# KiCad board cqa02303v4_cad.kicad_pcb
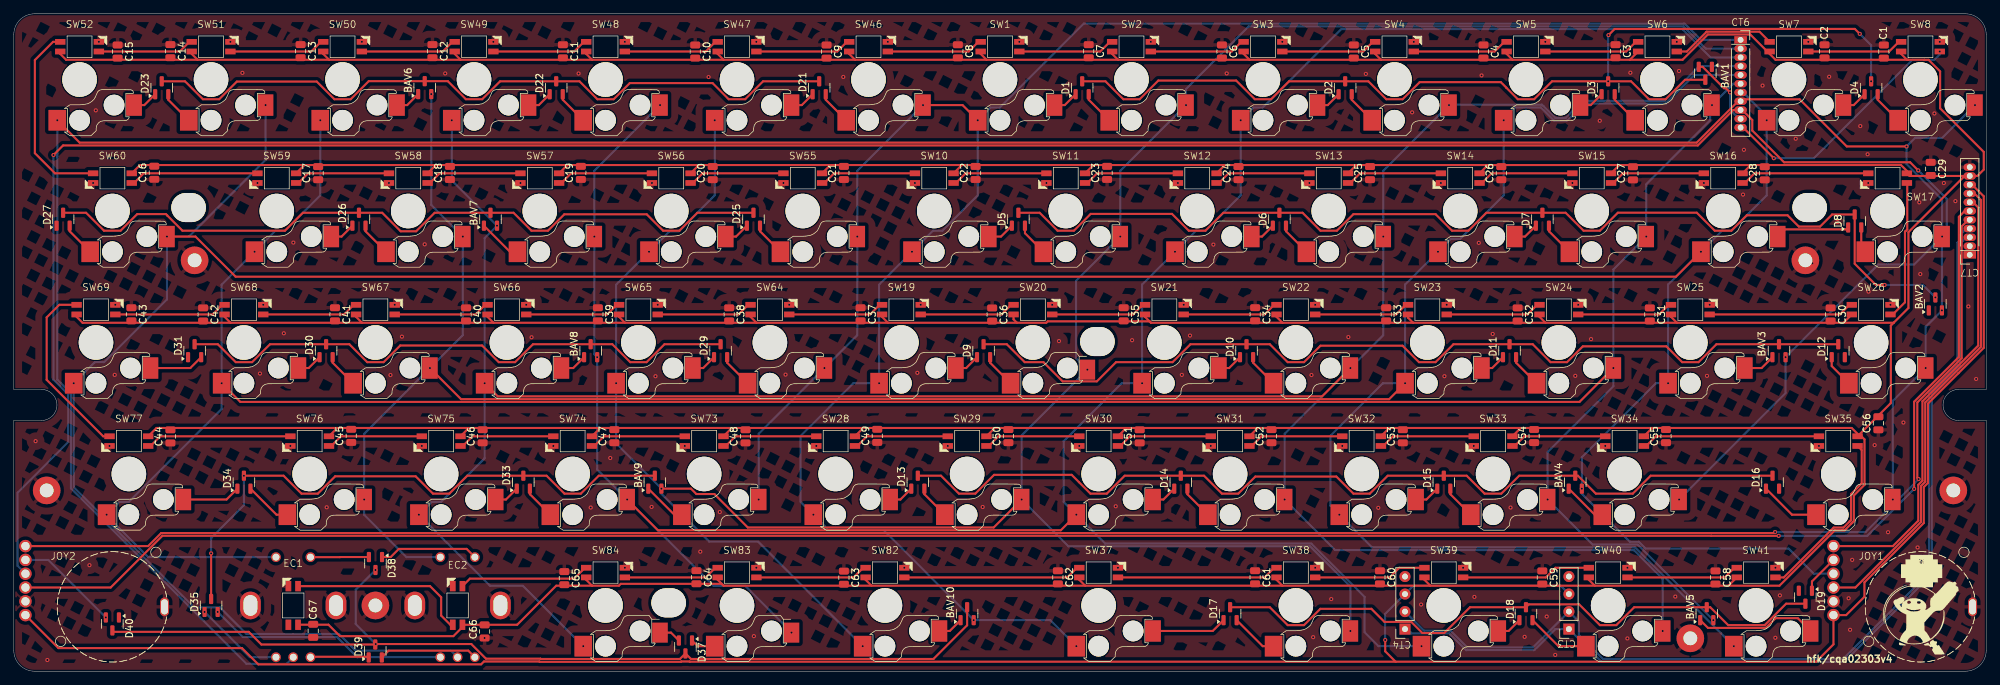
[diagram p0: board, top side]
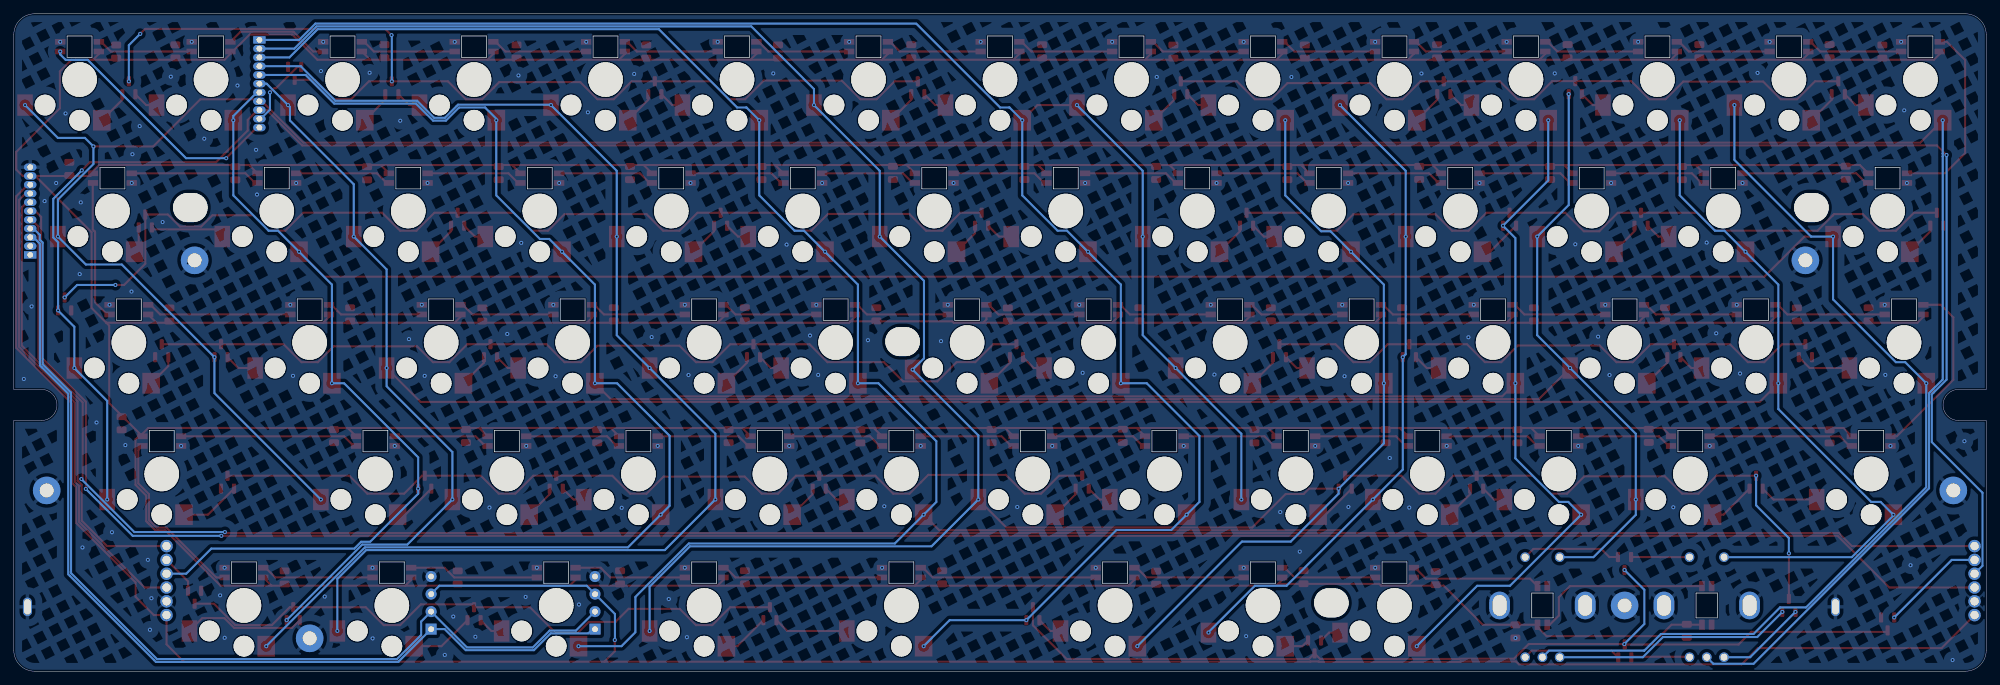
[diagram p1: board, bottom side, seen from below]

Outline 285.75 x 95.25 mm; copper layers: Top, Bottom. Coordinates in mm from the lower left corner of the outline.
Outline path: 4,36.33 0,36.32 0,3 arc(0.88,0.88) 3,0 282.75,0 arc(284.87,0.88) 285.75,3 285.75,36.33 281.75,36.33 arc(279.5,38.58) 281.75,40.83 285.75,40.83 285.75,92.25 arc(284.87,94.37) 282.75,95.25 3,95.25 arc(0.88,94.37) 0,92.25 0,40.83 4,40.83 arc(6.25,38.58) 4,36.33
Stack: Top 0.035mm / dielectric 1.51mm FR4 er 4.5 / Bottom 0.035mm

## Placement (name value [footprint] x y rotation side)
BAV1  BAV99  [SOT-23]  245.06 86.63 270 top
BAV2  BAV99  [SOT-23]  278.38 53.21 90 top
BAV3  BAV99  [SOT-23]  255.73 46.43 90 top
BAV4  BAV99  [SOT-23]  226.22 27.38 90 top
BAV5  BAV99  [SOT-23]  245.27 8.33 90 top
BAV6  BAV99  [SOT-23]  59.53 84.55 90 top
BAV7  BAV99  [SOT-23]  69.06 65.48 90 top
BAV8  BAV99  [SOT-23]  83.57 46.43 90 top
BAV9  BAV99  [SOT-23]  92.87 27.38 90 top
BAV10  BAV99  [SOT-23]  138.11 8.33 90 top
C1  C_Small  [C_0805_2012Metric]  270.92 89.78 270 top
C2  C_Small  [C_0805_2012Metric]  262.33 89.81 270 top
C3  C_Small  [C_0805_2012Metric]  232.05 89.83 270 top
C4  C_Small  [C_0805_2012Metric]  212.92 89.79 270 top
C5  C_Small  [C_0805_2012Metric]  194.13 89.79 270 top
C6  C_Small  [C_0805_2012Metric]  175.03 89.79 270 top
C7  C_Small  [C_0805_2012Metric]  155.73 89.83 270 top
C8  C_Small  [C_0805_2012Metric]  136.77 89.82 270 top
C9  C_Small  [C_0805_2012Metric]  117.75 89.78 270 top
C10  C_Small  [C_0805_2012Metric]  98.72 89.78 270 top
C11  C_Small  [C_0805_2012Metric]  79.55 89.82 270 top
C12  C_Small  [C_0805_2012Metric]  60.65 89.84 270 top
C13  C_Small  [C_0805_2012Metric]  41.55 89.84 270 top
C14  C_Small  [C_0805_2012Metric]  22.69 89.84 270 top
C15  C_Small  [C_0805_2012Metric]  15.04 89.78 270 top
C16  C_Small  [C_0805_2012Metric]  20.35 72.22 90 top
C17  C_Small  [C_0805_2012Metric]  44.09 72.16 90 top
C18  C_Small  [C_0805_2012Metric]  63.18 72.19 90 top
C19  C_Small  [C_0805_2012Metric]  82.15 72.2 90 top
C20  C_Small  [C_0805_2012Metric]  101.25 72.17 90 top
C21  C_Small  [C_0805_2012Metric]  120.26 72.19 90 top
C22  C_Small  [C_0805_2012Metric]  139.34 72.19 90 top
C23  C_Small  [C_0805_2012Metric]  158.39 72.2 90 top
C24  C_Small  [C_0805_2012Metric]  177.43 72.17 90 top
C25  C_Small  [C_0805_2012Metric]  196.48 72.17 90 top
C26  C_Small  [C_0805_2012Metric]  215.5 72.16 90 top
C27  C_Small  [C_0805_2012Metric]  234.57 72.14 90 top
C28  C_Small  [C_0805_2012Metric]  253.66 72.14 90 top
C29  C_Small  [C_0805_2012Metric]  277.71 72.78 270 top
C30  C_Small  [C_0805_2012Metric]  263.21 51.69 270 top
C31  C_Small  [C_0805_2012Metric]  237.02 51.69 270 top
C32  C_Small  [C_0805_2012Metric]  217.87 51.69 270 top
C33  C_Small  [C_0805_2012Metric]  198.82 51.71 270 top
C34  C_Small  [C_0805_2012Metric]  179.84 51.72 270 top
C35  C_Small  [C_0805_2012Metric]  160.79 51.71 270 top
C36  C_Small  [C_0805_2012Metric]  141.74 51.68 270 top
C37  C_Small  [C_0805_2012Metric]  122.68 51.71 270 top
C38  C_Small  [C_0805_2012Metric]  103.64 51.7 270 top
C39  C_Small  [C_0805_2012Metric]  84.62 51.71 270 top
C40  C_Small  [C_0805_2012Metric]  65.52 51.7 270 top
C41  C_Small  [C_0805_2012Metric]  46.53 51.71 270 top
C42  C_Small  [C_0805_2012Metric]  27.43 51.69 270 top
C43  C_Small  [C_0805_2012Metric]  17.04 51.71 270 top
C44  C_Small  [C_0805_2012Metric]  22.69 34.02 90 top
C45  C_Small  [C_0805_2012Metric]  48.88 34.1 90 top
C46  C_Small  [C_0805_2012Metric]  67.92 34.04 90 top
C47  C_Small  [C_0805_2012Metric]  87 34.05 90 top
C48  C_Small  [C_0805_2012Metric]  106.01 34.03 90 top
C49  C_Small  [C_0805_2012Metric]  125.09 34.1 90 top
C50  C_Small  [C_0805_2012Metric]  144.09 34.06 90 top
C51  C_Small  [C_0805_2012Metric]  163.11 34.03 90 top
C52  C_Small  [C_0805_2012Metric]  182.2 34.05 90 top
C53  C_Small  [C_0805_2012Metric]  201.23 34.04 90 top
C54  C_Small  [C_0805_2012Metric]  220.25 34.07 90 top
C55  C_Small  [C_0805_2012Metric]  239.36 34.06 90 top
C56  C_Small  [C_0805_2012Metric]  270.13 35.92 90 top
C58  C_Small  [C_0805_2012Metric]  246.53 13.58 270 top
C59  C_Small  [C_0805_2012Metric]  221.44 13.58 270 top
C60  C_Small  [C_0805_2012Metric]  197.92 13.6 270 top
C61  C_Small  [C_0805_2012Metric]  179.83 13.61 270 top
C62  C_Small  [C_0805_2012Metric]  151.26 13.6 270 top
C63  C_Small  [C_0805_2012Metric]  120.26 13.55 270 top
C64  C_Small  [C_0805_2012Metric]  98.9 13.62 270 top
C65  C_Small  [C_0805_2012Metric]  79.76 13.48 270 top
C66  C_Small  [C_0805_2012Metric]  68.21 5.76 90 top
C67  C_Small  [C_0805_2012Metric]  43.38 5.85 90 top
CS_HL1  ~  [gh60_hole2_guard]  94.87 9.91 0 top
CS_HL2  ~  [gh60_hole2_guard]  156.99 47.76 0 top
CS_HL3  ~  [gh60_hole2_guard]  260.17 67.18 0 top
CS_HL4  ~  [gh60_hole2_guard]  25.32 67.18 0 top
CT3  ~  [ConnThrough_1x04_2.54mm]  225.3 9.91 180 top
CT4  ~  [ConnThrough_1x04_2.54mm]  201.55 9.91 180 top
CT6  ~  [ConnThrough_1x11_1.27mm]  250.17 85.12 0 top
CT7  ~  [ConnThrough_1x11_1.27mm]  283.37 66.68 180 top
D1  BAV70  [SOT-23]  154.78 84.53 90 top
D2  BAV70  [SOT-23]  192.88 84.53 90 top
D3  BAV70  [SOT-23]  230.98 84.53 90 top
D4  BAV70  [SOT-23]  269.08 84.53 90 top
D5  BAV70  [SOT-23]  145.54 65.48 90 top
D6  BAV70  [SOT-23]  183.36 65.48 90 top
D7  BAV70  [SOT-23]  221.46 65.48 90 top
D8  BAV70  [SOT-23]  266.7 65.23 90 top
D9  BAV70  [SOT-23]  140.49 46.43 90 top
D10  BAV70  [SOT-23]  178.59 46.43 90 top
D11  BAV70  [SOT-23]  216.69 46.43 90 top
D12  BAV70  [SOT-23]  264.32 46.43 90 top
D13  BAV70  [SOT-23]  130.97 27.38 90 top
D14  BAV70  [SOT-23]  169.07 27.38 90 top
D15  BAV70  [SOT-23]  207.17 27.38 90 top
D16  BAV70  [SOT-23]  254.79 27.38 90 top
D17  BAV70  [SOT-23]  176.21 8.33 90 top
D18  BAV70  [SOT-23]  219.08 8.33 90 top
D19  BAV70  [SOT-23]  259.56 10.72 270 top
D21  BAV70  [SOT-23]  116.68 84.53 90 top
D22  BAV70  [SOT-23]  78.58 84.53 90 top
D23  BAV70  [SOT-23]  21.43 84.53 90 top
D25  BAV70  [SOT-23]  107.16 65.48 90 top
D26  BAV70  [SOT-23]  50.01 65.48 90 top
D27  BAV70  [SOT-23]  7.14 65.48 90 top
D29  BAV70  [SOT-23]  102.39 46.43 90 top
D30  BAV70  [SOT-23]  45.24 46.43 90 top
D31  BAV70  [SOT-23]  26.19 46.43 90 top
D33  BAV70  [SOT-23]  73.82 27.38 90 top
D34  BAV70  [SOT-23]  33.34 27.38 90 top
D35  BAV70  [SOT-23]  28.59 9.53 90 top
D37  BAV70  [SOT-23]  97.3 3.51 270 top
D38  BAV70  [SOT-23]  52.4 15.6 270 top
D39  BAV70  [SOT-23]  52.37 2.93 90 top
D40  BAV70  [SOT-23]  14.28 6.85 270 top
D41  SK6812MINI  [YS-SK6812MINI-E]  276.22 90.49 180 top
D42  SK6812MINI  [YS-SK6812MINI-E]  257.17 90.49 180 top
D43  SK6812MINI  [YS-SK6812MINI-E]  238.13 90.49 180 top
D44  SK6812MINI  [YS-SK6812MINI-E]  219.08 90.49 180 top
D45  SK6812MINI  [YS-SK6812MINI-E]  200.03 90.49 180 top
D46  SK6812MINI  [YS-SK6812MINI-E]  180.97 90.49 180 top
D47  SK6812MINI  [YS-SK6812MINI-E]  161.93 90.49 180 top
D48  SK6812MINI  [YS-SK6812MINI-E]  142.88 90.49 180 top
D49  SK6812MINI  [YS-SK6812MINI-E]  123.83 90.49 180 top
D50  SK6812MINI  [YS-SK6812MINI-E]  104.78 90.49 180 top
D51  SK6812MINI  [YS-SK6812MINI-E]  85.72 90.49 180 top
D52  SK6812MINI  [YS-SK6812MINI-E]  66.68 90.49 180 top
D53  SK6812MINI  [YS-SK6812MINI-E]  47.62 90.49 180 top
D54  SK6812MINI  [YS-SK6812MINI-E]  28.57 90.49 180 top
D55  SK6812MINI  [YS-SK6812MINI-E]  9.52 90.49 180 top
D56  SK6812MINI  [YS-SK6812MINI-E]  14.29 71.44 0 top
D57  SK6812MINI  [YS-SK6812MINI-E]  38.1 71.44 0 top
D58  SK6812MINI  [YS-SK6812MINI-E]  57.15 71.44 0 top
D59  SK6812MINI  [YS-SK6812MINI-E]  76.2 71.44 0 top
D60  SK6812MINI  [YS-SK6812MINI-E]  95.25 71.44 0 top
D61  SK6812MINI  [YS-SK6812MINI-E]  114.3 71.44 0 top
D62  SK6812MINI  [YS-SK6812MINI-E]  133.35 71.44 0 top
D63  SK6812MINI  [YS-SK6812MINI-E]  152.4 71.44 0 top
D64  SK6812MINI  [YS-SK6812MINI-E]  171.45 71.44 0 top
D65  SK6812MINI  [YS-SK6812MINI-E]  190.5 71.44 0 top
D66  SK6812MINI  [YS-SK6812MINI-E]  209.55 71.44 0 top
D67  SK6812MINI  [YS-SK6812MINI-E]  228.6 71.44 0 top
D68  SK6812MINI  [YS-SK6812MINI-E]  247.65 71.44 0 top
D69  SK6812MINI  [YS-SK6812MINI-E]  271.46 71.44 0 top
D70  SK6812MINI  [YS-SK6812MINI-E]  269.08 52.39 180 top
D71  SK6812MINI  [YS-SK6812MINI-E]  242.89 52.39 180 top
D72  SK6812MINI  [YS-SK6812MINI-E]  223.84 52.39 180 top
D73  SK6812MINI  [YS-SK6812MINI-E]  204.79 52.39 180 top
D74  SK6812MINI  [YS-SK6812MINI-E]  185.74 52.39 180 top
D75  SK6812MINI  [YS-SK6812MINI-E]  166.69 52.39 180 top
D76  SK6812MINI  [YS-SK6812MINI-E]  147.64 52.39 180 top
D77  SK6812MINI  [YS-SK6812MINI-E]  128.59 52.39 180 top
D78  SK6812MINI  [YS-SK6812MINI-E]  109.54 52.39 180 top
D79  SK6812MINI  [YS-SK6812MINI-E]  90.49 52.39 180 top
D80  SK6812MINI  [YS-SK6812MINI-E]  71.44 52.39 180 top
D81  SK6812MINI  [YS-SK6812MINI-E]  52.39 52.39 180 top
D82  SK6812MINI  [YS-SK6812MINI-E]  33.34 52.39 180 top
D83  SK6812MINI  [YS-SK6812MINI-E]  11.91 52.39 180 top
D84  SK6812MINI  [YS-SK6812MINI-E]  16.67 33.34 0 top
D85  SK6812MINI  [YS-SK6812MINI-E]  42.86 33.34 0 top
D86  SK6812MINI  [YS-SK6812MINI-E]  61.91 33.34 0 top
D87  SK6812MINI  [YS-SK6812MINI-E]  80.96 33.34 0 top
D88  SK6812MINI  [YS-SK6812MINI-E]  100.01 33.34 0 top
D89  SK6812MINI  [YS-SK6812MINI-E]  119.06 33.34 0 top
D90  SK6812MINI  [YS-SK6812MINI-E]  138.11 33.34 0 top
D91  SK6812MINI  [YS-SK6812MINI-E]  157.16 33.34 0 top
D92  SK6812MINI  [YS-SK6812MINI-E]  176.21 33.34 0 top
D93  SK6812MINI  [YS-SK6812MINI-E]  195.26 33.34 0 top
D94  SK6812MINI  [YS-SK6812MINI-E]  214.31 33.34 0 top
D95  SK6812MINI  [YS-SK6812MINI-E]  233.36 33.34 0 top
D96  SK6812MINI  [YS-SK6812MINI-E]  264.32 33.34 0 top
D98  SK6812MINI  [YS-SK6812MINI-E]  252.41 14.29 180 top
D99  SK6812MINI  [YS-SK6812MINI-E]  230.98 14.29 180 top
D100  SK6812MINI  [YS-SK6812MINI-E]  207.17 14.29 180 top
D101  SK6812MINI  [YS-SK6812MINI-E]  185.74 14.29 180 top
D102  SK6812MINI  [YS-SK6812MINI-E]  157.16 14.29 180 top
D103  SK6812MINI  [YS-SK6812MINI-E]  126.21 14.29 180 top
D104  SK6812MINI  [YS-SK6812MINI-E]  104.78 14.29 180 top
D105  SK6812MINI  [YS-SK6812MINI-E]  85.72 14.29 180 top
D106  SK6812MINI  [YS-SK6812MINI-E]  64.29 9.53 270 top
D107  SK6812MINI  [YS-SK6812MINI-E]  40.48 9.53 270 top
EC1  ~  [EC12]  40.48 9.53 0 top
EC2  ~  [EC12]  64.29 9.53 0 top
G***  -  [LOGO]  276.4 9.93 0 top
JOY1  ~  [AnalogJoyCon_cutScrew]  276.22 9.53 0 top
JOY2  ~  [AnalogJoyCon_cutScrew]  14.29 9.53 0 top
SHL1  ~  [2mmScrew]  4.76 26.19 0 top
SHL2  ~  [2mmScrew]  52.39 9.53 0 top
SHL3  ~  [2mmScrew]  280.99 26.19 0 top
SHL4  ~  [2mmScrew]  242.89 4.76 0 top
SHL5  ~  [2mmScrew]  26.19 59.53 0 top
SHL6  ~  [2mmScrew]  259.56 59.53 0 top
SW1  SW_PUSH  [hf_kbd_kailh_hotswap]  142.88 85.73 0 top
SW2  SW_PUSH  [hf_kbd_kailh_hotswap]  161.93 85.73 0 top
SW3  SW_PUSH  [hf_kbd_kailh_hotswap]  180.97 85.73 0 top
SW4  SW_PUSH  [hf_kbd_kailh_hotswap]  200.03 85.73 0 top
SW5  SW_PUSH  [hf_kbd_kailh_hotswap]  219.08 85.73 0 top
SW6  SW_PUSH  [hf_kbd_kailh_hotswap]  238.13 85.73 0 top
SW7  SW_PUSH  [hf_kbd_kailh_hotswap]  257.17 85.73 0 top
SW8  SW_PUSH  [hf_kbd_kailh_hotswap]  276.22 85.73 0 top
SW10  SW_PUSH  [hf_kbd_kailh_hotswap]  133.35 66.68 0 top
SW11  SW_PUSH  [hf_kbd_kailh_hotswap]  152.4 66.68 0 top
SW12  SW_PUSH  [hf_kbd_kailh_hotswap]  171.45 66.68 0 top
SW13  SW_PUSH  [hf_kbd_kailh_hotswap]  190.5 66.68 0 top
SW14  SW_PUSH  [hf_kbd_kailh_hotswap]  209.55 66.68 0 top
SW15  SW_PUSH  [hf_kbd_kailh_hotswap]  228.6 66.68 0 top
SW16  SW_PUSH  [hf_kbd_kailh_hotswap]  247.65 66.68 0 top
SW17  SW_PUSH  [hf_kbd_kailh_hotswap]  271.46 66.68 0 top
SW19  SW_PUSH  [hf_kbd_kailh_hotswap]  128.59 47.63 0 top
SW20  SW_PUSH  [hf_kbd_kailh_hotswap_nearhole]  147.64 47.63 0 top
SW21  SW_PUSH  [hf_kbd_kailh_hotswap]  166.69 47.63 0 top
SW22  SW_PUSH  [hf_kbd_kailh_hotswap]  185.74 47.63 0 top
SW23  SW_PUSH  [hf_kbd_kailh_hotswap]  204.79 47.63 0 top
SW24  SW_PUSH  [hf_kbd_kailh_hotswap]  223.84 47.63 0 top
SW25  SW_PUSH  [hf_kbd_kailh_hotswap]  242.89 47.63 0 top
SW26  SW_PUSH  [hf_kbd_kailh_hotswap]  269.08 47.63 0 top
SW28  SW_PUSH  [hf_kbd_kailh_hotswap]  119.06 28.58 0 top
SW29  SW_PUSH  [hf_kbd_kailh_hotswap]  138.11 28.58 0 top
SW30  SW_PUSH  [hf_kbd_kailh_hotswap]  157.16 28.58 0 top
SW31  SW_PUSH  [hf_kbd_kailh_hotswap]  176.21 28.58 0 top
SW32  SW_PUSH  [hf_kbd_kailh_hotswap]  195.26 28.58 0 top
SW33  SW_PUSH  [hf_kbd_kailh_hotswap]  214.31 28.58 0 top
SW34  SW_PUSH  [hf_kbd_kailh_hotswap]  233.36 28.58 0 top
SW35  SW_PUSH  [hf_kbd_kailh_hotswap]  264.32 28.58 0 top
SW37  SW_PUSH  [hf_kbd_kailh_hotswap]  157.16 9.53 0 top
SW38  SW_PUSH  [hf_kbd_kailh_hotswap]  185.74 9.53 0 top
SW39  SW_PUSH  [hf_kbd_kailh_hotswap]  207.17 9.53 0 top
SW40  SW_PUSH  [hf_kbd_kailh_hotswap]  230.98 9.53 0 top
SW41  SW_PUSH  [hf_kbd_kailh_hotswap]  252.41 9.53 0 top
SW46  SW_PUSH  [hf_kbd_kailh_hotswap]  123.83 85.73 0 top
SW47  SW_PUSH  [hf_kbd_kailh_hotswap]  104.78 85.73 0 top
SW48  SW_PUSH  [hf_kbd_kailh_hotswap]  85.72 85.73 0 top
SW49  SW_PUSH  [hf_kbd_kailh_hotswap]  66.68 85.73 0 top
SW50  SW_PUSH  [hf_kbd_kailh_hotswap]  47.62 85.73 0 top
SW51  SW_PUSH  [hf_kbd_kailh_hotswap]  28.57 85.73 0 top
SW52  SW_PUSH  [hf_kbd_kailh_hotswap]  9.52 85.73 0 top
SW55  SW_PUSH  [hf_kbd_kailh_hotswap]  114.3 66.68 0 top
SW56  SW_PUSH  [hf_kbd_kailh_hotswap]  95.25 66.68 0 top
SW57  SW_PUSH  [hf_kbd_kailh_hotswap]  76.2 66.68 0 top
SW58  SW_PUSH  [hf_kbd_kailh_hotswap]  57.15 66.68 0 top
SW59  SW_PUSH  [hf_kbd_kailh_hotswap]  38.1 66.68 0 top
SW60  SW_PUSH  [hf_kbd_kailh_hotswap]  14.29 66.68 0 top
SW64  SW_PUSH  [hf_kbd_kailh_hotswap]  109.54 47.63 0 top
SW65  SW_PUSH  [hf_kbd_kailh_hotswap]  90.49 47.63 0 top
SW66  SW_PUSH  [hf_kbd_kailh_hotswap]  71.44 47.63 0 top
SW67  SW_PUSH  [hf_kbd_kailh_hotswap]  52.39 47.63 0 top
SW68  SW_PUSH  [hf_kbd_kailh_hotswap]  33.34 47.63 0 top
SW69  SW_PUSH  [hf_kbd_kailh_hotswap]  11.91 47.63 0 top
SW73  SW_PUSH  [hf_kbd_kailh_hotswap]  100.01 28.58 0 top
SW74  SW_PUSH  [hf_kbd_kailh_hotswap]  80.96 28.58 0 top
SW75  SW_PUSH  [hf_kbd_kailh_hotswap]  61.91 28.58 0 top
SW76  SW_PUSH  [hf_kbd_kailh_hotswap]  42.86 28.58 0 top
SW77  SW_PUSH  [hf_kbd_kailh_hotswap]  16.67 28.58 0 top
SW82  SW_PUSH  [hf_kbd_kailh_hotswap]  126.21 9.53 0 top
SW83  SW_PUSH  [hf_kbd_kailh_hotswap_nearhole]  104.78 9.53 0 top
SW84  SW_PUSH  [hf_kbd_kailh_hotswap_nearhole]  85.72 9.53 0 top

## Library data of the parts
BAV1-BAV10 = -: Datasheet: https://assets.nexperia.com/documents/data-sheet/BAV99_SER.pdf; Description: BAV99 High-speed switching diodes, SOT-23; ki_fp_filters: SOT?23*
C1-C56 C58-C67 = -: Description: Unpolarized capacitor, small symbol; ki_fp_filters: C_*
D1-D19 D21-D23 D25-D27 D29-D31 D33-D35 D37-D40 = -: Datasheet: https://assets.nexperia.com/documents/data-sheet/BAV70_SER.pdf; Description: Dual 100V 215mA high-speed switching diodes, common cathode, SOT-23; ki_fp_filters: SOT?23*
D41-D96 D98-D107 = -: Datasheet: https://cdn-shop.adafruit.com/product-files/2686/SK6812MINI_REV.01-1-2.pdf; Description: RGB LED with integrated controller; ki_fp_filters: LED*SK6812MINI*PLCC*3.5x3.5mm*P1.75mm*

## Footprints (pads in the part's own frame, mm; a bottom-side part is the same pattern mirrored in y, then rotated)
2mmScrew
  round 4 hole 2: 1(0,0)
AnalogJoyCon_cutScrew
  round 1.8 hole 1.2: 1(-12.6,8.6) 2(-12.6,6.6) 3(-12.6,4.6) 4(-12.6,2.6) 5(-12.6,0.6) 6(-12.6,-1.4)
  oval 1.3x2.7 hole 1x2.2: 7(7.55,-0.2)
C_0805_2012Metric
  rrect 1x1.45 smd: 1(-0.95,0) 2(0.95,0)
ConnThrough_1x04_2.54mm
  rect 1.6x1.6 hole 0.85: 1(0,3.81)
  round 1.6 hole 0.85: 2(0,1.27) 3(0,-1.27) 4(0,-3.81)
ConnThrough_1x11_1.27mm
  rect 1.8x1.07 hole 0.84: 1(0,6.35)
  oval 1.8x1.07 hole 0.84: 2(0,5.08) 3(0,3.81) 4(0,2.54) 5(0,1.27) 6(0,0) 7(0,-1.27) 8(0,-2.54) 9(0,-3.81) 10(0,-5.08) 11(0,-6.35)
EC12
  round 1.4 hole 1: 1(-2.5,7) 2(2.5,7) 3(-2.5,-7.5) 4(2.5,-7.5) 5(0,-7.5)
  oval 3x4 hole 2x3: 6(-6.2,0) 7(6.2,0)
gh60_hole2_guard
  oval 5x4.2 hole 5.5x4.8 unplated: (0,0)
hf_kbd_kailh_hotswap
  round 5 hole 5 unplated: (0,0)
  round 3 hole 3 unplated: (0,-5.9) (5,-3.7)
  rect 2.25x3.1 smd: 1(7.9,-3.7)
  rect 2.55x3 smd: 2(-3.225,-5.9)
hf_kbd_kailh_hotswap_nearhole
  round 5 hole 5 unplated: (0,0)
  round 3 hole 3 unplated: (0,-5.9) (5,-3.7)
  rect 2.242x2.891 smd: 1(7.896,-3.935)
  rect 2.55x3 smd: 2(-3.225,-5.9)
SOT-23
  rrect 1.475x0.6 smd: 1(-0.938,0.95) 2(-0.938,-0.95) 3(0.938,0)
YS-SK6812MINI-E
  rect 1.5x0.825 smd: 1(2.8,0.7) 2(2.8,-0.7) 3(-2.8,-0.7) 4(-2.8,0.7)

## Nets
+3V3R: CT3.3 CT4.3 CT7.9 JOY1.6 JOY2.6
+5VD: C1.2 C2.2 C3.2 C4.2 C5.2 C6.2 C7.2 C8.2 C9.2 C10.2 C11.2 C12.2 C13.2 C14.2 C15.2 C16.2 C17.2 C18.2 C19.2 C20.2 C21.2 C22.2 C23.2 C24.2 C25.2 C26.2 C27.2 C28.2 C29.2 C30.2 C31.2 C32.2 C33.2 C34.2 C35.2 C36.2 C37.2 C38.2 C39.2 C40.2 C41.2 C42.2 C43.2 C44.2 C45.2 C46.2 C47.2 C48.2 C49.2 C50.2 C51.2 C52.2 C53.2 C54.2 C55.2 C56.2 C58.2 C59.2 C60.2 C61.2 C62.2 C63.2 C64.2 C65.2 C66.2 C67.2 CT7.10 D41.1 D42.1 D43.1 D44.1 D45.1 D46.1 D47.1 D48.1 D49.1 D50.1 D51.1 D52.1 D53.1 D54.1 D55.1 D56.1 D57.1 D58.1 D59.1 D60.1 D61.1 D62.1 D63.1 D64.1 D65.1 D66.1 D67.1 D68.1 D69.1 D70.1 D71.1 D72.1 D73.1 D74.1 D75.1 D76.1 D77.1 D78.1 D79.1 D80.1 D81.1 D82.1 D83.1 D84.1 D85.1 D86.1 D87.1 D88.1 D89.1 D90.1 D91.1 D92.1 D93.1 D94.1 D95.1 D96.1 D98.1 D99.1 D100.1 D101.1 D102.1 D103.1 D104.1 D105.1 D106.1 D107.1
GNDR: C1.1 C2.1 C3.1 C4.1 C5.1 C6.1 C7.1 C8.1 C9.1 C10.1 C11.1 C12.1 C13.1 C14.1 C15.1 C16.1 C17.1 C18.1 C19.1 C20.1 C21.1 C22.1 C23.1 C24.1 C25.1 C26.1 C27.1 C28.1 C29.1 C30.1 C31.1 C32.1 C33.1 C34.1 C35.1 C36.1 C37.1 C38.1 C39.1 C40.1 C41.1 C42.1 C43.1 C44.1 C45.1 C46.1 C47.1 C48.1 C49.1 C50.1 C51.1 C52.1 C53.1 C54.1 C55.1 C56.1 C58.1 C59.1 C60.1 C61.1 C62.1 C63.1 C64.1 C65.1 C66.1 C67.1 CT3.4 CT4.4 CT7.11 D41.3 D42.3 D43.3 D44.3 D45.3 D46.3 D47.3 D48.3 D49.3 D50.3 D51.3 D52.3 D53.3 D54.3 D55.3 D56.3 D57.3 D58.3 D59.3 D60.3 D61.3 D62.3 D63.3 D64.3 D65.3 D66.3 D67.3 D68.3 D69.3 D70.3 D71.3 D72.3 D73.3 D74.3 D75.3 D76.3 D77.3 D78.3 D79.3 D80.3 D81.3 D82.3 D83.3 D84.3 D85.3 D86.3 D87.3 D88.3 D89.3 D90.3 D91.3 D92.3 D93.3 D94.3 D95.3 D96.3 D98.3 D99.3 D100.3 D101.3 D102.3 D103.3 D104.3 D105.3 D106.3 D107.3 EC1.6 EC1.7 EC2.6 EC2.7 JOY1.5 JOY1.7 JOY2.5 JOY2.7 SHL1.1 SHL2.1 SHL3.1 SHL4.1 SHL5.1 SHL6.1
/LED/LED_DIN: CT6.11 D41.4
COL1: BAV10.2 CT6.1 SW1.2 SW10.2 SW19.2 SW28.2 SW37.2 SW46.1 SW55.1 SW64.1 SW73.1
COL2: BAV9.2 CT6.2 SW2.1 SW11.1 SW20.1 SW29.1 SW38.1 SW47.2 SW56.2 SW65.2 SW82.2
COL3: BAV8.2 CT6.3 SW3.2 SW12.2 SW21.2 SW30.2 SW39.2 SW48.1 SW57.1 SW74.1 SW83.1
COL4: BAV7.2 CT6.4 SW4.1 SW13.1 SW22.1 SW31.1 SW40.1 SW49.2 SW66.2 SW75.2 SW84.2
COL5: BAV6.2 CT6.5 EC2.1 SW5.2 SW14.2 SW23.2 SW32.2 SW41.2 SW58.1 SW67.1 SW76.1
COL6: BAV5.2 CT6.6 EC1.1 SW6.1 SW15.1 SW24.1 SW33.1 SW50.2 SW59.2 SW68.2 SW77.2
COL7: BAV4.2 CT6.7 EC2.5 JOY1.3 SW7.2 SW16.2 SW25.2 SW51.1 SW60.1 SW69.2
COL8: BAV3.2 CT6.8 EC1.5 SW8.1 SW17.1 SW34.1 SW52.2
COL9: BAV2.2 CT6.9 JOY2.3 SW26.1 SW35.1
COL10: BAV1.2 CT6.10
EC1A: D35.1 EC1.3
EC1B: D39.1 EC1.4
EC1H: D38.2 EC1.2
EC2A: D35.2 EC2.3
EC2B: D39.2 EC2.4
EC2H: D38.1 EC2.2
JOY1: D19.1 JOY1.2
JOY2: D40.2 JOY2.2
ROW1: BAV1.3 D1.3 D2.3 D3.3 D4.3
ROW2: BAV2.3 D5.3 D6.3 D7.3 D8.3
ROW3: BAV3.3 D9.3 D10.3 D11.3 D12.3
ROW4: BAV4.3 D13.3 D14.3 D15.3 D16.3
ROW5: BAV5.3 D17.3 D18.3 D19.3
ROW6: BAV6.3 D21.3 D22.3 D23.3
ROW7: BAV7.3 D25.3 D26.3 D27.3
ROW8: BAV8.3 D29.3 D30.3 D31.3
ROW9: BAV9.3 D33.3 D34.3 D35.3
ROW10: BAV10.3 D37.3 D38.3 D39.3 D40.3
Net-(BAV1-K-Pad1): BAV1.1
Net-(BAV2-K-Pad1): BAV2.1
Net-(BAV3-K-Pad1): BAV3.1 SW25.1
Net-(BAV4-K-Pad1): BAV4.1 SW34.2
Net-(BAV5-K-Pad1): BAV5.1 SW41.1
Net-(BAV6-K-Pad1): BAV6.1 SW50.1
Net-(BAV7-K-Pad1): BAV7.1 SW57.2
Net-(BAV8-K-Pad1): BAV8.1 SW66.1
Net-(BAV9-K-Pad1): BAV9.1 SW73.2
Net-(BAV10-K-Pad1): BAV10.1 SW82.1
Net-(CT3-Pad1): CT3.1 CT4.1 CT7.3
Net-(CT3-Pad2): CT3.2 CT4.2 CT7.4
Net-(D1-A-Pad1): D1.1 SW1.1
Net-(D1-A-Pad2): D1.2 SW2.2
Net-(D2-A-Pad1): D2.1 SW3.1
Net-(D2-A-Pad2): D2.2 SW4.2
Net-(D3-A-Pad1): D3.1 SW5.1
Net-(D3-A-Pad2): D3.2 SW6.2
Net-(D4-A-Pad1): D4.1 SW7.1
Net-(D4-A-Pad2): D4.2 SW8.2
Net-(D5-A-Pad1): D5.1 SW10.1
Net-(D5-A-Pad2): D5.2 SW11.2
Net-(D6-A-Pad1): D6.1 SW12.1
Net-(D6-A-Pad2): D6.2 SW13.2
Net-(D7-A-Pad1): D7.1 SW14.1
Net-(D7-A-Pad2): D7.2 SW15.2
Net-(D8-A-Pad1): D8.1 SW16.1
Net-(D8-A-Pad2): D8.2 SW17.2
Net-(D9-A-Pad1): D9.1 SW19.1
Net-(D9-A-Pad2): D9.2 SW20.2
Net-(D10-A-Pad1): D10.1 SW21.1
Net-(D10-A-Pad2): D10.2 SW22.2
Net-(D11-A-Pad1): D11.1 SW23.1
Net-(D11-A-Pad2): D11.2 SW24.2
Net-(D12-A-Pad1): D12.1 SW26.2
Net-(D12-A-Pad2): D12.2
Net-(D13-A-Pad1): D13.1 SW28.1
Net-(D13-A-Pad2): D13.2 SW29.2
Net-(D14-A-Pad1): D14.1 SW30.1
Net-(D14-A-Pad2): D14.2 SW31.2
Net-(D15-A-Pad1): D15.1 SW32.1
Net-(D15-A-Pad2): D15.2 SW33.2
Net-(D16-A-Pad1): D16.1 SW35.2
Net-(D16-A-Pad2): D16.2
Net-(D17-A-Pad1): D17.1 SW37.1
Net-(D17-A-Pad2): D17.2 SW38.2
Net-(D18-A-Pad1): D18.1 SW39.1
Net-(D18-A-Pad2): D18.2 SW40.2
Net-(D19-A-Pad2): D19.2
Net-(D21-A-Pad1): D21.1 SW47.1
Net-(D21-A-Pad2): D21.2 SW46.2
Net-(D22-A-Pad1): D22.1 SW49.1
Net-(D22-A-Pad2): D22.2 SW48.2
Net-(D23-A-Pad1): D23.1 SW52.1
Net-(D23-A-Pad2): D23.2 SW51.2
Net-(D25-A-Pad1): D25.1 SW56.1
Net-(D25-A-Pad2): D25.2 SW55.2
Net-(D26-A-Pad1): D26.1 SW59.1
Net-(D26-A-Pad2): D26.2 SW58.2
Net-(D27-A-Pad1): D27.1
Net-(D27-A-Pad2): D27.2 SW60.2
Net-(D29-A-Pad1): D29.1 SW65.1
Net-(D29-A-Pad2): D29.2 SW64.2
Net-(D30-A-Pad1): D30.1 SW68.1
Net-(D30-A-Pad2): D30.2 SW67.2
Net-(D31-A-Pad1): D31.1
Net-(D31-A-Pad2): D31.2 SW69.1
Net-(D33-A-Pad1): D33.1 SW75.1
Net-(D33-A-Pad2): D33.2 SW74.2
Net-(D34-A-Pad1): D34.1 SW77.1
Net-(D34-A-Pad2): D34.2 SW76.2
Net-(D37-A-Pad1): D37.1 SW83.2
Net-(D37-A-Pad2): D37.2 SW84.1
Net-(D40-A-Pad1): D40.1
Net-(D41-DOUT): D41.2 D42.4
Net-(D42-DOUT): D42.2 D43.4
Net-(D43-DOUT): D43.2 D44.4
Net-(D44-DOUT): D44.2 D45.4
Net-(D45-DOUT): D45.2 D46.4
Net-(D46-DOUT): D46.2 D47.4
Net-(D47-DOUT): D47.2 D48.4
Net-(D48-DOUT): D48.2 D49.4
Net-(D49-DOUT): D49.2 D50.4
Net-(D50-DOUT): D50.2 D51.4
Net-(D51-DOUT): D51.2 D52.4
Net-(D52-DOUT): D52.2 D53.4
Net-(D53-DOUT): D53.2 D54.4
Net-(D54-DOUT): D54.2 D55.4
Net-(D55-DOUT): D55.2 D56.4
Net-(D56-DOUT): D56.2 D57.4
Net-(D57-DOUT): D57.2 D58.4
Net-(D58-DOUT): D58.2 D59.4
Net-(D59-DOUT): D59.2 D60.4
Net-(D60-DOUT): D60.2 D61.4
Net-(D61-DOUT): D61.2 D62.4
Net-(D62-DOUT): D62.2 D63.4
Net-(D63-DOUT): D63.2 D64.4
Net-(D64-DOUT): D64.2 D65.4
Net-(D65-DOUT): D65.2 D66.4
Net-(D66-DOUT): D66.2 D67.4
Net-(D67-DOUT): D67.2 D68.4
Net-(D68-DOUT): D68.2 D69.4
Net-(D69-DOUT): D69.2 D70.4
Net-(D70-DOUT): D70.2 D71.4
Net-(D71-DOUT): D71.2 D72.4
Net-(D72-DOUT): D72.2 D73.4